# Altium PCB STM32unitV1.PcbDoc (part 1 of 4)
Units mm, origin at the board's own origin, x right, y up, seen from the top; angles counter-clockwise.
Board outline 206 x 142 mm, 2 copper layers (Top Layer, Bottom Layer); 234 components, 216 nets, 930 pads, 890 vias.
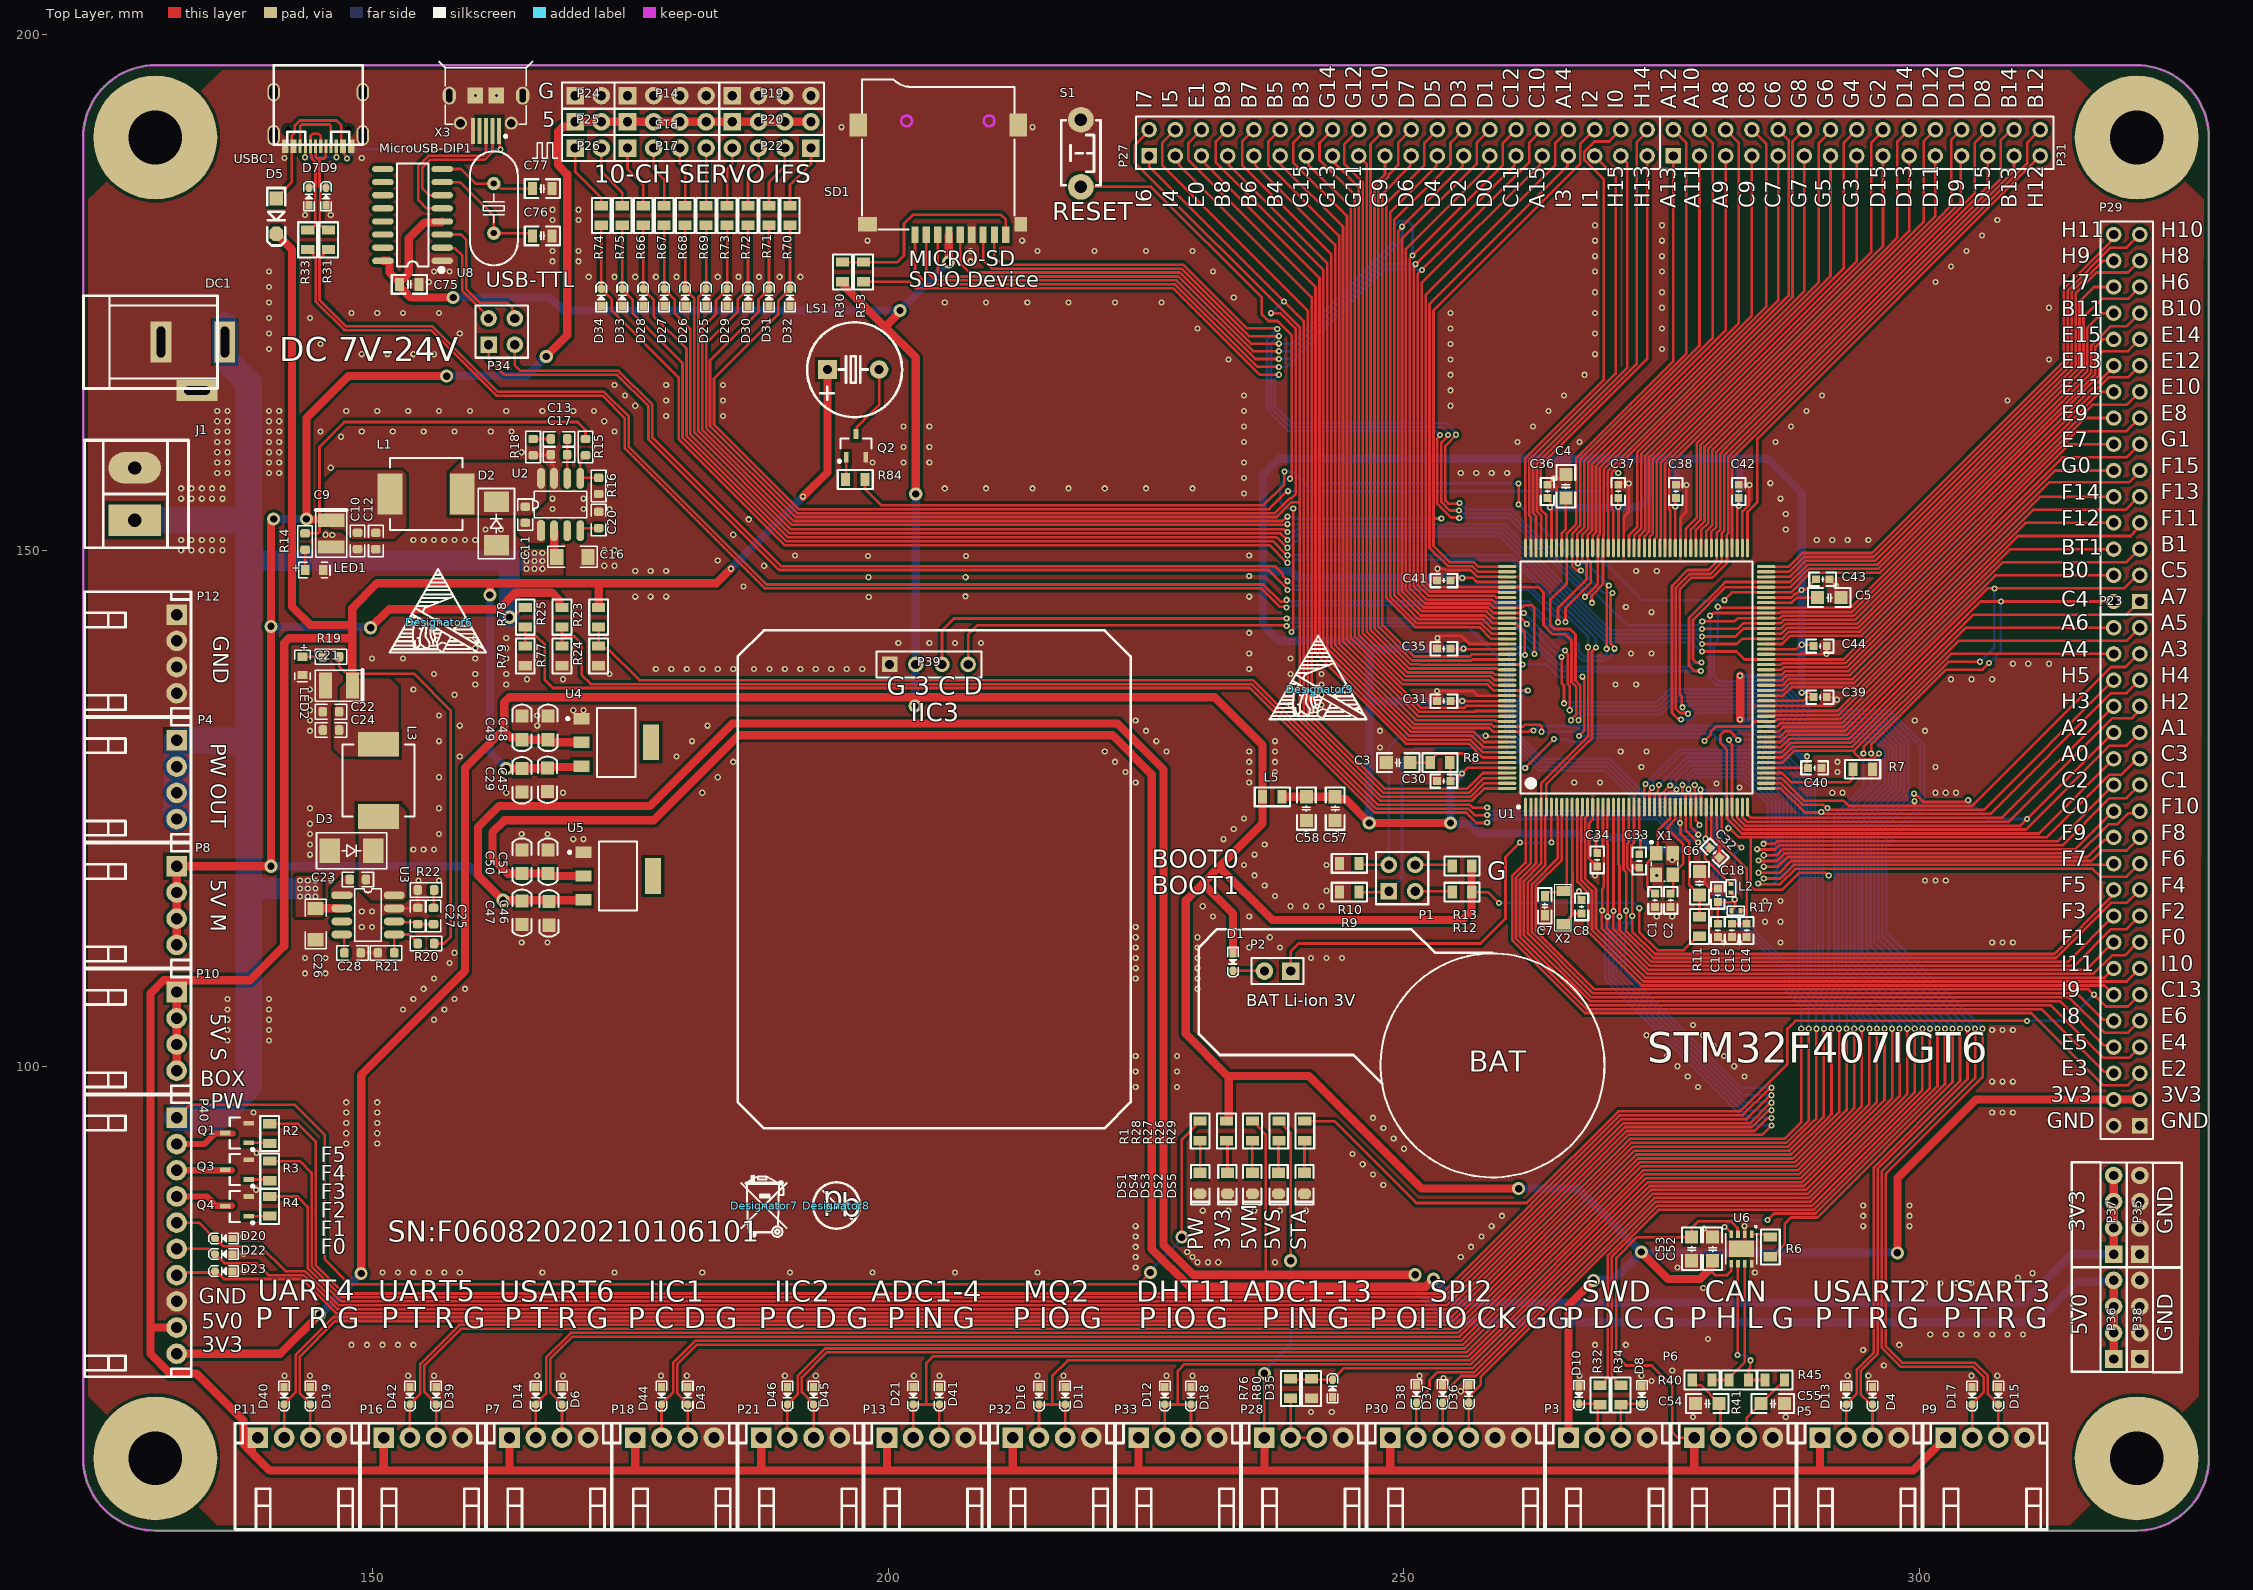
[diagram p0: Top Layer view]
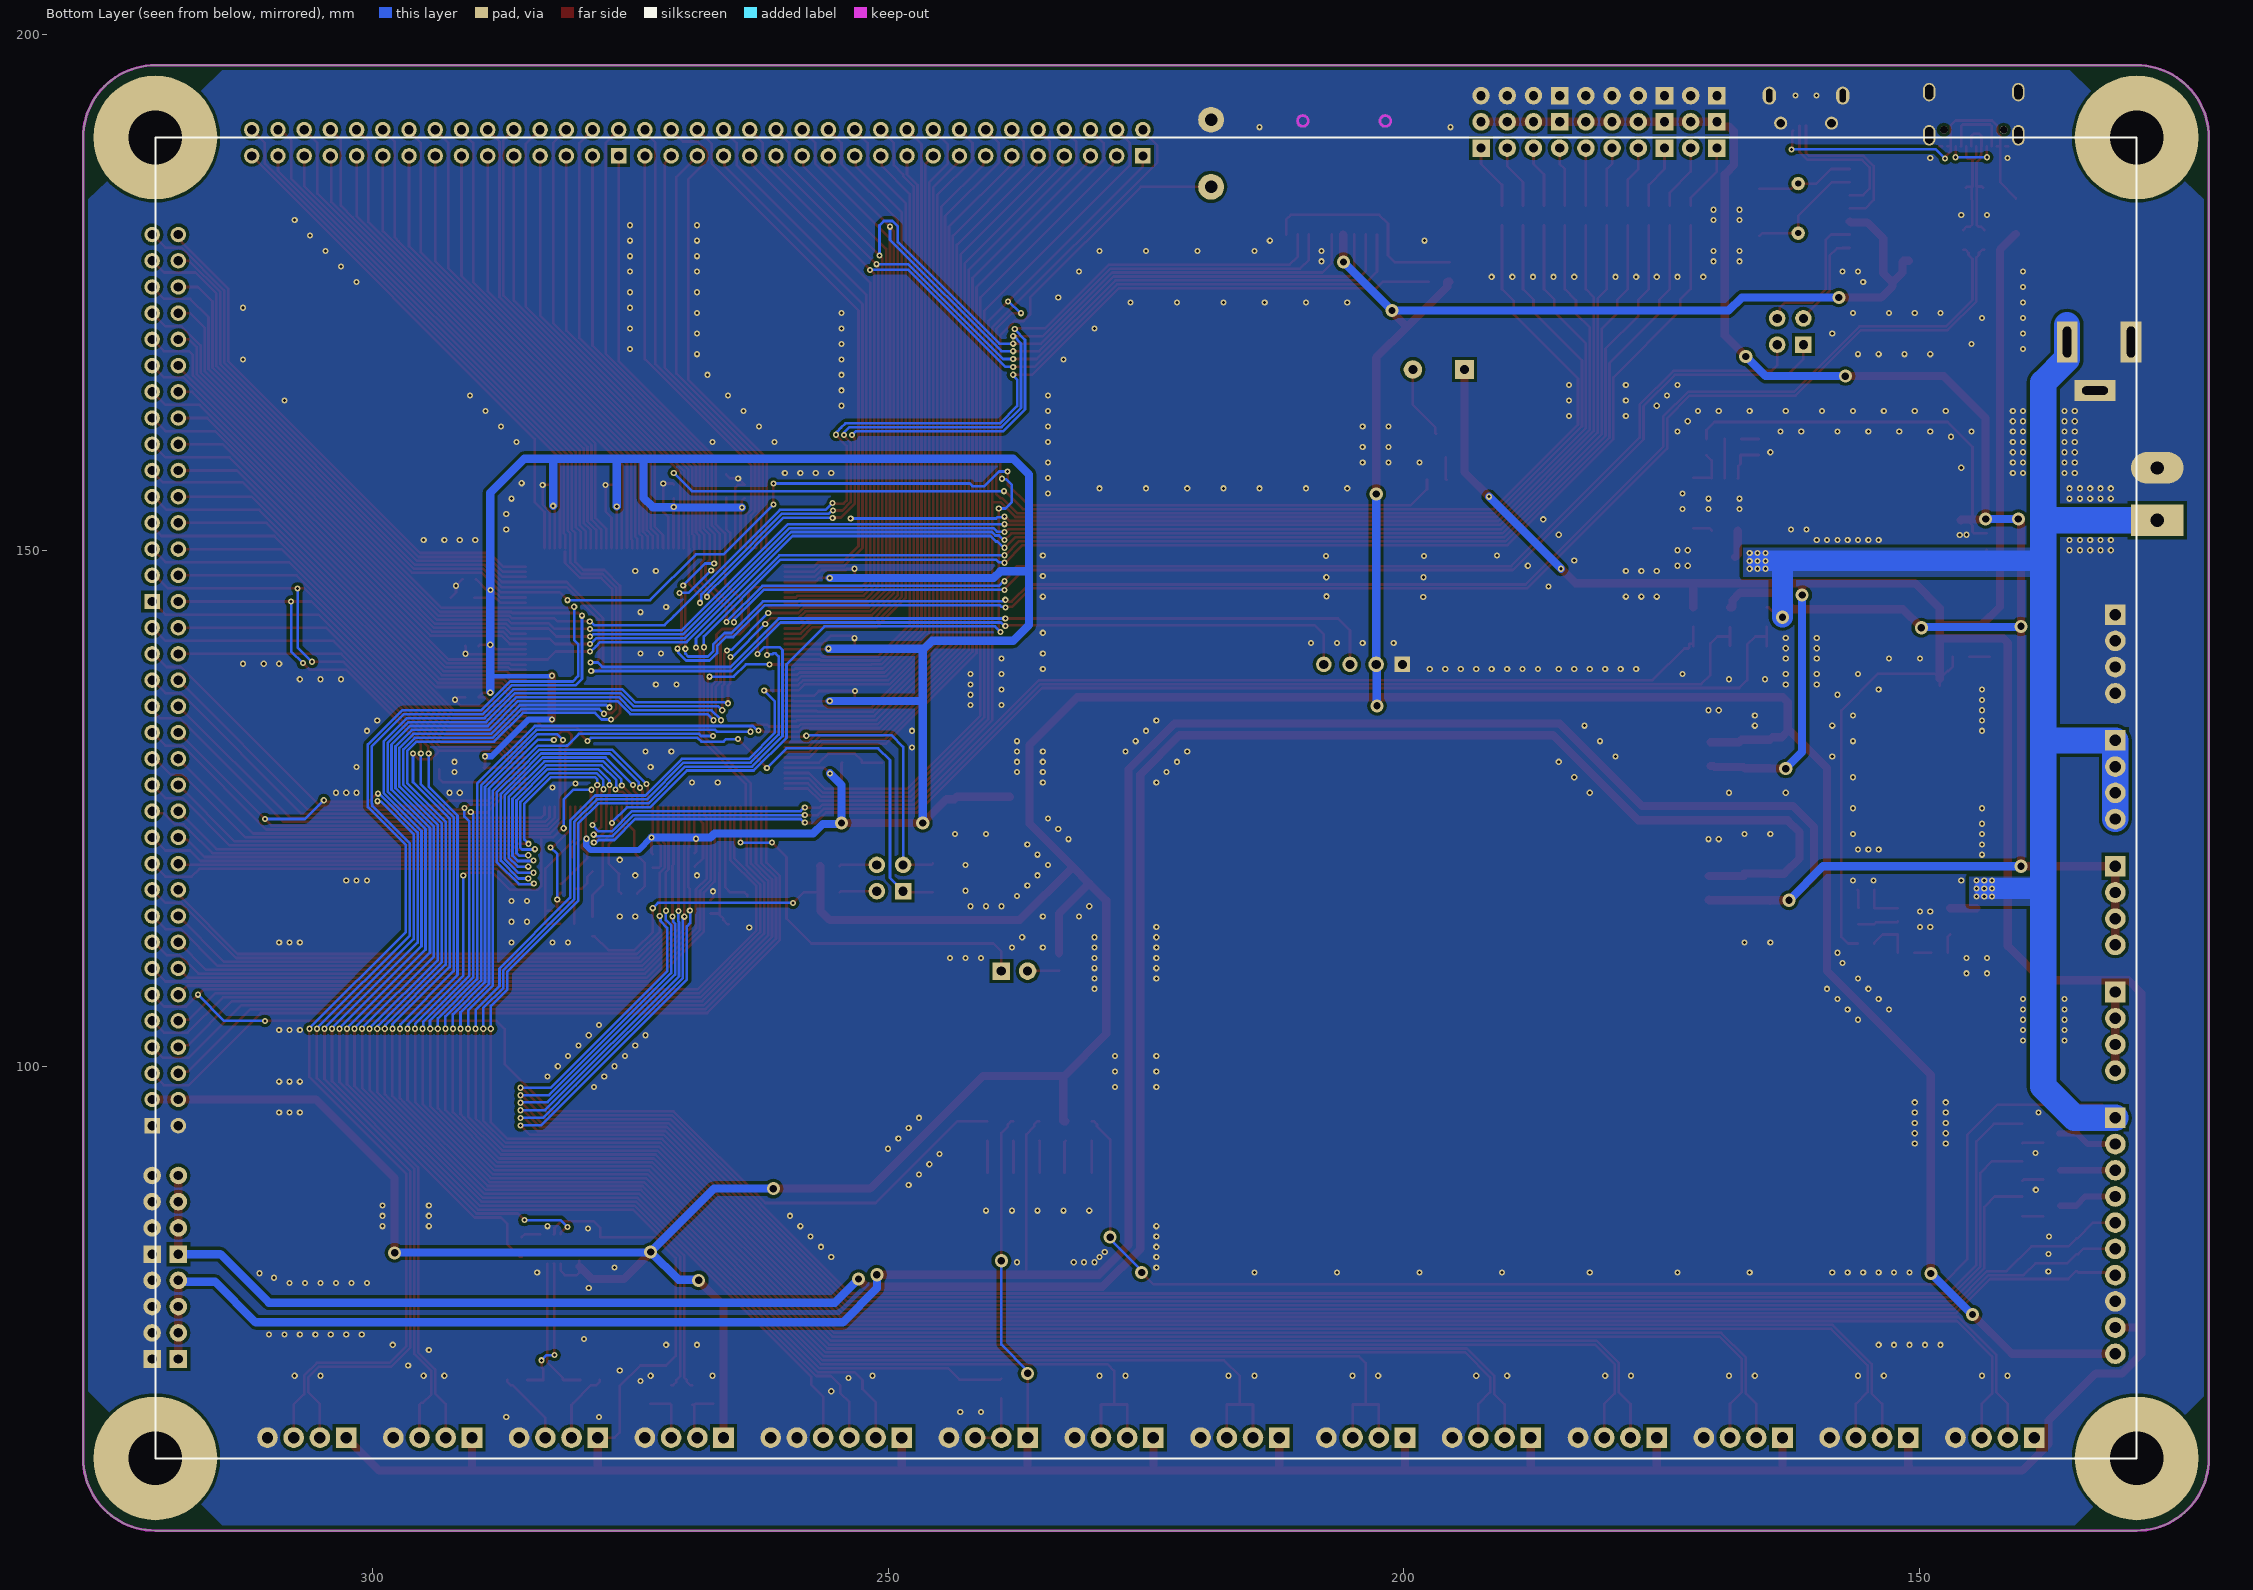
[diagram p1: Bottom Layer view, seen from below]

## Layer stack, top to bottom
Top Solder: solder mask 0.0102, Solder Resist, Dk 3.5
Top Layer: signal copper 0.0356
Dielectric 1: dielectric 0.32, FR-4, Dk 4.8
Bottom Layer: signal copper 0.0356
Bottom Solder: solder mask 0.0102, Solder Resist, Dk 3.5

## Board outline
122,62 122,190 cw(c129,190) 129,197 321,197 cw(c321,190) 328,190 328,62 cw(c321,62) 321,55 129,55 cw(c129,62)

## Design rules (kind name [scope] priority, off if disabled: settings)
Clearance Clearance_GND [InNet('GND')] p1: gap=0.127 ignorepadtopadclearanceinfootprint=FALSE except(0: Arc-Hole Track-Hole SMDPad-Hole THPad-Hole Via-Hole Fill-Hole Poly-Hole Region-Hole Text-Hole; 0.3: Arc-Fill Arc-Poly Arc-Region Track-Fill Track-Poly Track-Region SMDPad-Fill SMDPad-Poly SMDPad-Region THPad-Fill THPad-Poly THPad-Region Via-Fill Via-Poly Via-Region Fill-Fill Fill-Poly Fill-Region Poly-Poly Poly-Region Region-Region)
Clearance [All] p2: gap=0.127 ignorepadtopadclearanceinfootprint=FALSE except(0: Arc-Hole Track-Hole SMDPad-Hole THPad-Hole Via-Hole Fill-Hole Poly-Hole Region-Hole Text-Hole)
PolygonConnect [All] p1: connectstyle=Direct reliefconductorwidth=0.254 reliefentries=4 polygonreliefangle="90 Angle" airgapwidth=0.254
RoutingVias [All] p1: holewidth=0.3 width=0.6 viastyle="Through Hole" minholewidth=0.3 minwidth=0.6 maxholewidth=0.711 maxwidth=1.27
SolderMaskExpansion [All] p1: expansion=0.102 istentingtop=FALSE
Width [All] p1: maxlimit=2.54 minlimit=0.127 preferedwidth=0.127
30 further rules are at their usual default settings.

## Classes and differential pairs
component class U_5: D4 D6 D11 D12 D13 D14 D15 D16 D17 D18 D19 D20 D21 D22 D23 D39 D40 D41 D42 D43 D44 D45 D46 P5 P7 P9 P11 P13 P16 P18 P21 P32 P33 P40 Q1 Q3 Q4 R2 R3 R4
component class U_4: C52 C53 C54 C55 C75 C76 C77 D8 D10 D25 D26 D27 D28 D29 D30 D31 D32 D33 D34 D35 D36 D37 D38 DS1 DS2 DS3 DS4 DS5 LS1 MicroUSB-DIP1 P3 P6 P14 P15 P17 P19 P20 P22 P24 P25 P26 P28 P30 P34 Q2 R1 R26 R27 R28 R29 R30 R32 R34 R40 R41 R45 R53 R66 R67 R68 R69 R70 R71 R72 R73 R74 R75 R76 R80 R84 SD1 U6 U8 X3
component class U_3: D7 D9 P39 R31 R33 USBC1
component class U_2: C9 C10 C11 C12 C13 C14 C15 C16 C17 C18 C19 C20 C21 C22 C23 C24 C25 C26 C27 C28 C29 C30 C31 C32 C33 C34 C35 C36 C37 C38 C39 C40 C41 C42 C43 C44 C45 C46 C47 C48 C49 C50 C51 C57 C58 D1 D2 D3 D5 DC1 J1 L1 L2 L3 L5 LED1 LED2 P2 P4 P8 P10 P12 R14 R15 R16 R17 R18 R19 R20 R21 R22 R23 R24 R25 R77 R78 R79 U2 U3 U4 U5
component class U_1: C1 C2 C3 C4 C5 C6 C7 C8 P1 P23 P27 P29 P31 P35 P36 P37 P38 R6 R7 R8 R9 R10 R11 R12 R13 S1 U1 X1 X2

## Components (designator, comment, footprint, x,y, rotation, side; value= is the part's Value field where it differs from the comment)
C1 "0603" "C 0603_L" 274.32,116.078 r270 top value=20pF
C2 "0603" "C 0603_L" 275.844,116.078 r90 top value=20pF
C3 "0805" "C 0805_M" 249.428,129.413 r0 top value=1.0uF
C4 "0805" "C 0805_M" 265.684,156.21 r270 top value=2.2uF
C5 "0805" "C 0805_M" 291.226,145.415 r180 top value=2.2uF
C6 "0805" "C 0805_M" 278.638,117.729 r270 top value=100nF
C7 "0603" "C 0603_M" 263.652,115.537 r90 top value=6.8pF
C8 "0603" "C 0603_L" 267.208,115.448 r270 top value=6.8pF
C9 "10uF" 3528 146.05,152.908 r270 top
C10 "4.7uF/16V" 0603C 148.59,150.014 r90 top
C11 "0.1uF" 0603C 164.846,152.554 r90 top
C12 "4.7uF/16V" 0603C 150.368,150.014 r90 top
C13 "1nF" 0603C 167.232,160.782 r0 top
C14 "0805" "C 0603_L" 283.21,113.157 r90 top value=0.1uF
C15 "0805" "C 0603_L" 281.773,113.157 r90 top value=1uF
C16 "10uF/25V" 1206 170.942,149.352 r180 top
C17 "47pF" 0603C 169.01,159.258 r180 top
C18 "0805" "C 0603_L" 280.416,116.556 r270 top value=0.1uF
C19 "0805" "C 0603_L" 280.416,113.157 r90 top value=1uF
C20 "10nF" 0603C 171.958,152.046 r90 top
C21 "10uF" 3528 148.088,136.891 r180 top
C22 "4.7uF/16V" 0603C 145.134,134.351 r0 top
C23 "0.1uF" 0603C 147.728,118.095 r0 top
C24 "4.7uF/16V" 0603C 145.134,132.573 r0 top
C25 "1nF" 0603C 155.956,115.443 r270 top
C26 "10uF/25V" 1206 144.526,112.253 r90 top
C27 "47pF" 0603C 154.432,113.665 r90 top
C28 "10nF" 0603C 147.22,110.983 r0 top
C29 "104" "C 0805" 164.519,127.701 r90 top
C30 "0805" "C 0603_L" 253.858,127.635 r0 top value=100nF
C31 "0805" "C 0603_L" 253.858,135.382 r0 top value=100nF
C32 "0805" "C 0603_L" 280.114,120.698 r135 top value=100nF
C33 "0805" "C 0603_L" 272.796,119.888 r90 top value=100nF
C34 "0805" "C 0603_L" 268.732,120 r90 top value=100nF
C35 "0805" "C 0603_L" 253.858,140.462 r0 top value=100nF
C36 "0805" "C 0603_L" 263.906,155.702 r270 top value=100nF
C37 "0805" "C 0603_L" 270.764,155.702 r270 top value=100nF
C38 "0805" "C 0603_L" 276.352,155.702 r270 top value=100nF
C39 "0805" "C 0603_L" 290.322,135.763 r180 top value=100nF
C40 "0805" "C 0603_L" 289.799,128.905 r180 top value=100nF
C41 "0805" "C 0603_L" 253.858,147.066 r0 top value=100nF
C42 "0805" "C 0603_L" 282.448,155.702 r270 top value=100nF
C43 "0805" "C 0603_L" 290.576,147.193 r180 top value=100nF
C44 "0805" "C 0603_L" 290.322,140.716 r180 top value=100nF
C45 "105" "C 0805" 167.005,127.762 r270 top
C46 "104" "C 0805" 167.132,114.808 r90 top
C47 "105" "C 0805" 164.519,114.874 r270 top
C48 "104" "C 0805" 167.059,132.781 r270 top
C49 "105" "C 0805" 164.519,132.781 r90 top
C50 "104" "C 0805" 164.519,119.827 r270 top
C51 "105" "C 0805" 167.059,119.827 r90 top
C52 "0805" "C 0805_M" 279.908,82.296 r270 top value=100nF
C53 "0805" "C 0805_M" 277.876,82.296 r270 top value=100nF
C54 "0805" "C 0805_M" 279.4,67.31 r180 top value=330pF
C55 "0805" "C 0805_M" 285.75,67.31 r180 top value=330pF
C57 "0805" "C 0805_M" 243.332,124.968 r90 top value=4.7uF
C58 "0805" "C 0805_M" 240.538,124.968 r90 top value=4.7uF
C75 "CAP" "C 0805_L" 153.609,175.768 r180 top value=100nF
C76 "CAP" "C 0805_L" 166.497,180.467 r180 top value=100nF
C77 "CAP" "C 0805_L" 166.497,185.039 r180 top value=100nF
D1 "D 1N4148" SOD-523 233.426,110.109 r270 top
D2 "SS34" DO-214AC-SMA 162.052,150.486 r90 top
D3 "SS34" DO-214AC-SMA 145.914,120.889 r0 top
D4 "TVS" SOD-523 295.402,68.072 r270 top
D5 "D 1N4148" SOD-123 140.716,182.372 r270 top
D6 "TVS" SOD-523 168.402,68.072 r270 top
D7 "TVS" SOD-523 143.891,184.277 r90 top
D8 "TVS" SOD-523 273.05,68.138 r270 top
D9 "TVS" SOD-523 145.542,184.277 r90 top
D10 "TVS" SOD-523 266.954,68.138 r270 top
D11 "TVS" SOD-523 217.17,68.072 r270 top
D12 "TVS" SOD-523 226.822,68.072 r270 top
D13 "TVS" SOD-523 292.862,68.072 r270 top
D14 "TVS" SOD-523 165.862,68.072 r270 top
D15 "TVS" SOD-523 307.594,68.072 r270 top
D16 "TVS" SOD-523 214.63,68.072 r270 top
D17 "TVS" SOD-523 305.054,68.072 r270 top
D18 "TVS" SOD-523 229.362,68.072 r270 top
D19 "TVS" SOD-523 144.018,68.072 r270 top
D20 "TVS" SOD-523 135.636,83.312 r180 top
D21 "TVS" SOD-523 202.438,68.072 r270 top
D22 "TVS" SOD-523 135.636,81.788 r180 top
D23 "TVS" SOD-523 135.636,80.137 r180 top
D25 "TVS" SOD-523 182.372,174.498 r90 top
D26 "TVS" SOD-523 180.34,174.498 r90 top
D27 "TVS" SOD-523 178.308,174.498 r90 top
D28 "TVS" SOD-523 176.276,174.498 r90 top
D29 "TVS" SOD-523 184.404,174.498 r90 top
D30 "TVS" SOD-523 186.436,174.498 r90 top
D31 "TVS" SOD-523 188.468,174.498 r90 top
D32 "TVS" SOD-523 190.5,174.498 r90 top
D33 "TVS" SOD-523 174.244,174.498 r90 top
D34 "TVS" SOD-523 172.212,174.498 r90 top
D35 "TVS" SOD-523 243.078,68.768 r90 top
D36 "TVS" SOD-523 256.286,68.238 r270 top
D37 "TVS" SOD-523 253.746,68.238 r270 top
D38 "TVS" SOD-523 251.206,68.238 r270 top
D39 "TVS" SOD-523 156.21,68.072 r270 top
D40 "TVS" SOD-523 141.478,68.072 r270 top
D41 "TVS" SOD-523 204.978,68.072 r270 top
D42 "TVS" SOD-523 153.67,68.072 r270 top
D43 "TVS" SOD-523 180.594,68.072 r270 top
D44 "TVS" SOD-523 178.054,68.072 r270 top
D45 "TVS" SOD-523 192.786,68.072 r270 top
D46 "TVS" SOD-523 190.246,68.072 r270 top
DC1 "DC" DC-005 129.54,170.18 r180 top
Designator6 "Comment" "touch X" 156.5,143 r0 top
Designator7 "Comment" "WASH X" 188,86.5 r0 top
Designator8 "Comment" "Pb X" 195,86.5 r0 top
Designator9 "Comment" "touch X" 241.814,136.546 r0 top
DS1 "LED" "LED 0805B" 230.251,88.646 r270 top
DS2 "LED" "LED 0805B" 237.846,88.646 r270 top
DS3 "LED" "LED 0805B" 235.306,88.646 r270 top
DS4 "LED" "LED 0805B" 232.893,88.646 r270 top
DS5 "LED" "LED 0805B" 240.36,88.646 r270 top
J1 "CON2" DG1282-5.0 127,155.448 r90 top
L1 "6.8uH" L100 151.75,155.448 r180 top
L2 "0805" "R 0402_L" 281.686,117.221 r90 top value=0
L3 "6.8uH" L100 150.622,131.191 r90 top
L5 "0805" "R 0805_L" 237.236,126.111 r180 top value=0
LED1 "LED3" 0603-led 143.51,148.082 r0 top
LED2 "LED3" 0603-led 143.256,139.685 r270 top
LS1 "Speaker" "BEEP 5x9x5.5" 196.636,167.513 r270 top
MicroUSB-DIP1 "MicroUSB-DIP" MICRO_USB_DIP 164.592,194.056 r180 top
P1 "Header 2X2" HDR2.54-LI-2x2P 249.809,118.237 r0 top
P2 "Header 2" HDR2.54-LI-2P 237.744,109.22 r180 top
P3 "Header 4" KF2EDGK-2.54-WI-4P 269.748,64.008 r0 top
P4 "PO" KF2EDGK-2.54-WI-4P 131.064,127.762 r270 top
P5 "USART2" KF2EDGK-2.54-WI-4P 294.132,64.008 r0 top
P6 "CAN1" KF2EDGK-2.54-WI-4P 281.94,64.008 r0 top
P7 "USART6" KF2EDGK-2.54-WI-4P 167.132,64.008 r0 top
P8 "PO" KF2EDGK-2.54-WI-4P 131.064,115.57 r270 top
P9 "USART3" KF2EDGK-2.54-WI-4P 306.324,64.008 r0 top
P10 "PO" KF2EDGK-2.54-WI-4P 131.064,103.378 r270 top
P11 "USART4" KF2EDGK-2.54-WI-4P 142.748,64.008 r0 top
P12 "PO" KF2EDGK-2.54-WI-4P 131.064,139.954 r270 top
P13 "ADC_IN4" KF2EDGK-2.54-WI-4P 203.708,64.008 r0 top
P14 "Header 4" HDR2.54-LI-4P 178.562,194.056 r0 top
P15 "Header 4" HDR2.54-LI-4P 178.562,191.516 r0 top
P16 "USART5" KF2EDGK-2.54-WI-4P 154.94,64.008 r0 top
P17 "Header 4" HDR2.54-LI-4P 178.562,188.976 r0 top
P18 "USART6" KF2EDGK-2.54-WI-4P 179.324,64.008 r0 top
P19 "Header 4" HDR2.54-LI-4P 188.722,194.056 r0 top
P20 "Header 4" HDR2.54-LI-4P 188.722,191.516 r0 top
P21 "USART6" KF2EDGK-2.54-WI-4P 191.516,64.008 r0 top
P22 "Header 4" HDR2.54-LI-4P 188.722,188.976 r180 top
P23 "Header 20X2" HDR2X20 321.31,94.234 r90 top
P24 "Header 2" HDR2.54-LI-2P 170.942,194.056 r0 top
P25 "Header 2" HDR2.54-LI-2P 170.942,191.516 r0 top
P26 "Header 2" HDR2.54-LI-2P 170.942,188.976 r0 top
P27 "Header 20X2" HDR2X20 225.298,188.214 r0 top
P28 "CAN1" KF2EDGK-2.54-WI-4P 240.284,64.008 r0 top
P29 "Header 15X2" HDR2X15 321.31,145.034 r90 top
P30 "Header 6" KF2EDGK-2.54-WI-6P 255.016,63.998 r0 top
P31 "Header 15X2" HDR2X15 276.098,188.214 r0 top
P32 "ADC_IN4" KF2EDGK-2.54-WI-4P 215.9,64.008 r0 top
P33 "ADC_IN4" KF2EDGK-2.54-WI-4P 228.092,64.008 r0 top
P34 "Header 2X2" HDR2.54-LI-2x2P 162.56,171.196 r0 top
P35 "Header 4" HDR2.54-LI-4P 321.31,85.598 r90 top
P36 "Header 4" HDR2.54-LI-4P 318.77,75.438 r90 top
P37 "Header 4" HDR2.54-LI-4P 318.77,85.598 r90 top
P38 "Header 4" HDR2.54-LI-4P 321.31,75.438 r90 top
P39 "OLED" HDR1X4 200.152,138.938 r0 top
P40 "Header 10" KF2EDGK-2.54-WI-10P 131.064,83.566 r270 top
Q1 "8050" SOT23-3L 136.906,93.533 r90 top
Q2 "8050" SOT23-3L 196.89,160.147 r0 top
Q3 "8050" SOT23-3L 136.906,89.977 r90 top
Q4 "8050" SOT23-3L 136.906,86.421 r90 top
R1 "RES2" "R 0805_L" 230.251,93.726 r90 top value=1K
R2 "RES2" "R 0805_L" 140.081,93.467 r90 top value=1K
R3 "RES2" "R 0805_L" 140.081,89.85 r90 top value=1K
R4 "RES2" "R 0805_L" 140.081,86.421 r90 top value=1K
R6 "0805" "R 0805_L" 285.496,82.484 r90 top value=200R
R7 "0805" "R 0805_L" 294.452,128.778 r0 top value=10K
R8 "0805" "R 0805_L" 253.492,129.413 r180 top value=10K
R9 "0805" "R 0805_L" 244.7,116.867 r0 top value=10K
R10 "0805" "R 0805_L" 244.7,119.661 r180 top value=10K
R11 "0805" "R 0805_L" 278.638,113.538 r90 top value=40K
R12 "0805" "R 0805_L" 255.622,116.867 r180 top value=10K
R13 "0805" "R 0805_L" 255.622,119.407 r0 top value=1K
R14 "10K" 0603 143.51,149.96 r90 top
R15 "10.2K" 0603 170.688,159.104 r90 top
R16 "1.91K" 0603 171.958,155.348 r90 top
R17 "0805" "R 0402_L" 282.194,115.062 r180 top value=47
R18 "29.4K" 0603 165.608,159.104 r90 top
R19 "10K" 0603 145.134,139.685 r0 top
R20 "10.2K" 0603 154.332,111.887 r0 top
R21 "1.91K" 0603 150.468,110.983 r0 top
R22 "29.4K" 0603 154.332,117.079 r0 top
R23 "RES2" "R 0805_L" 171.958,143.51 r90 top value=10K